# Altium PCB motordriver-v5.2.PcbDoc (part 3 of 7) (continued)
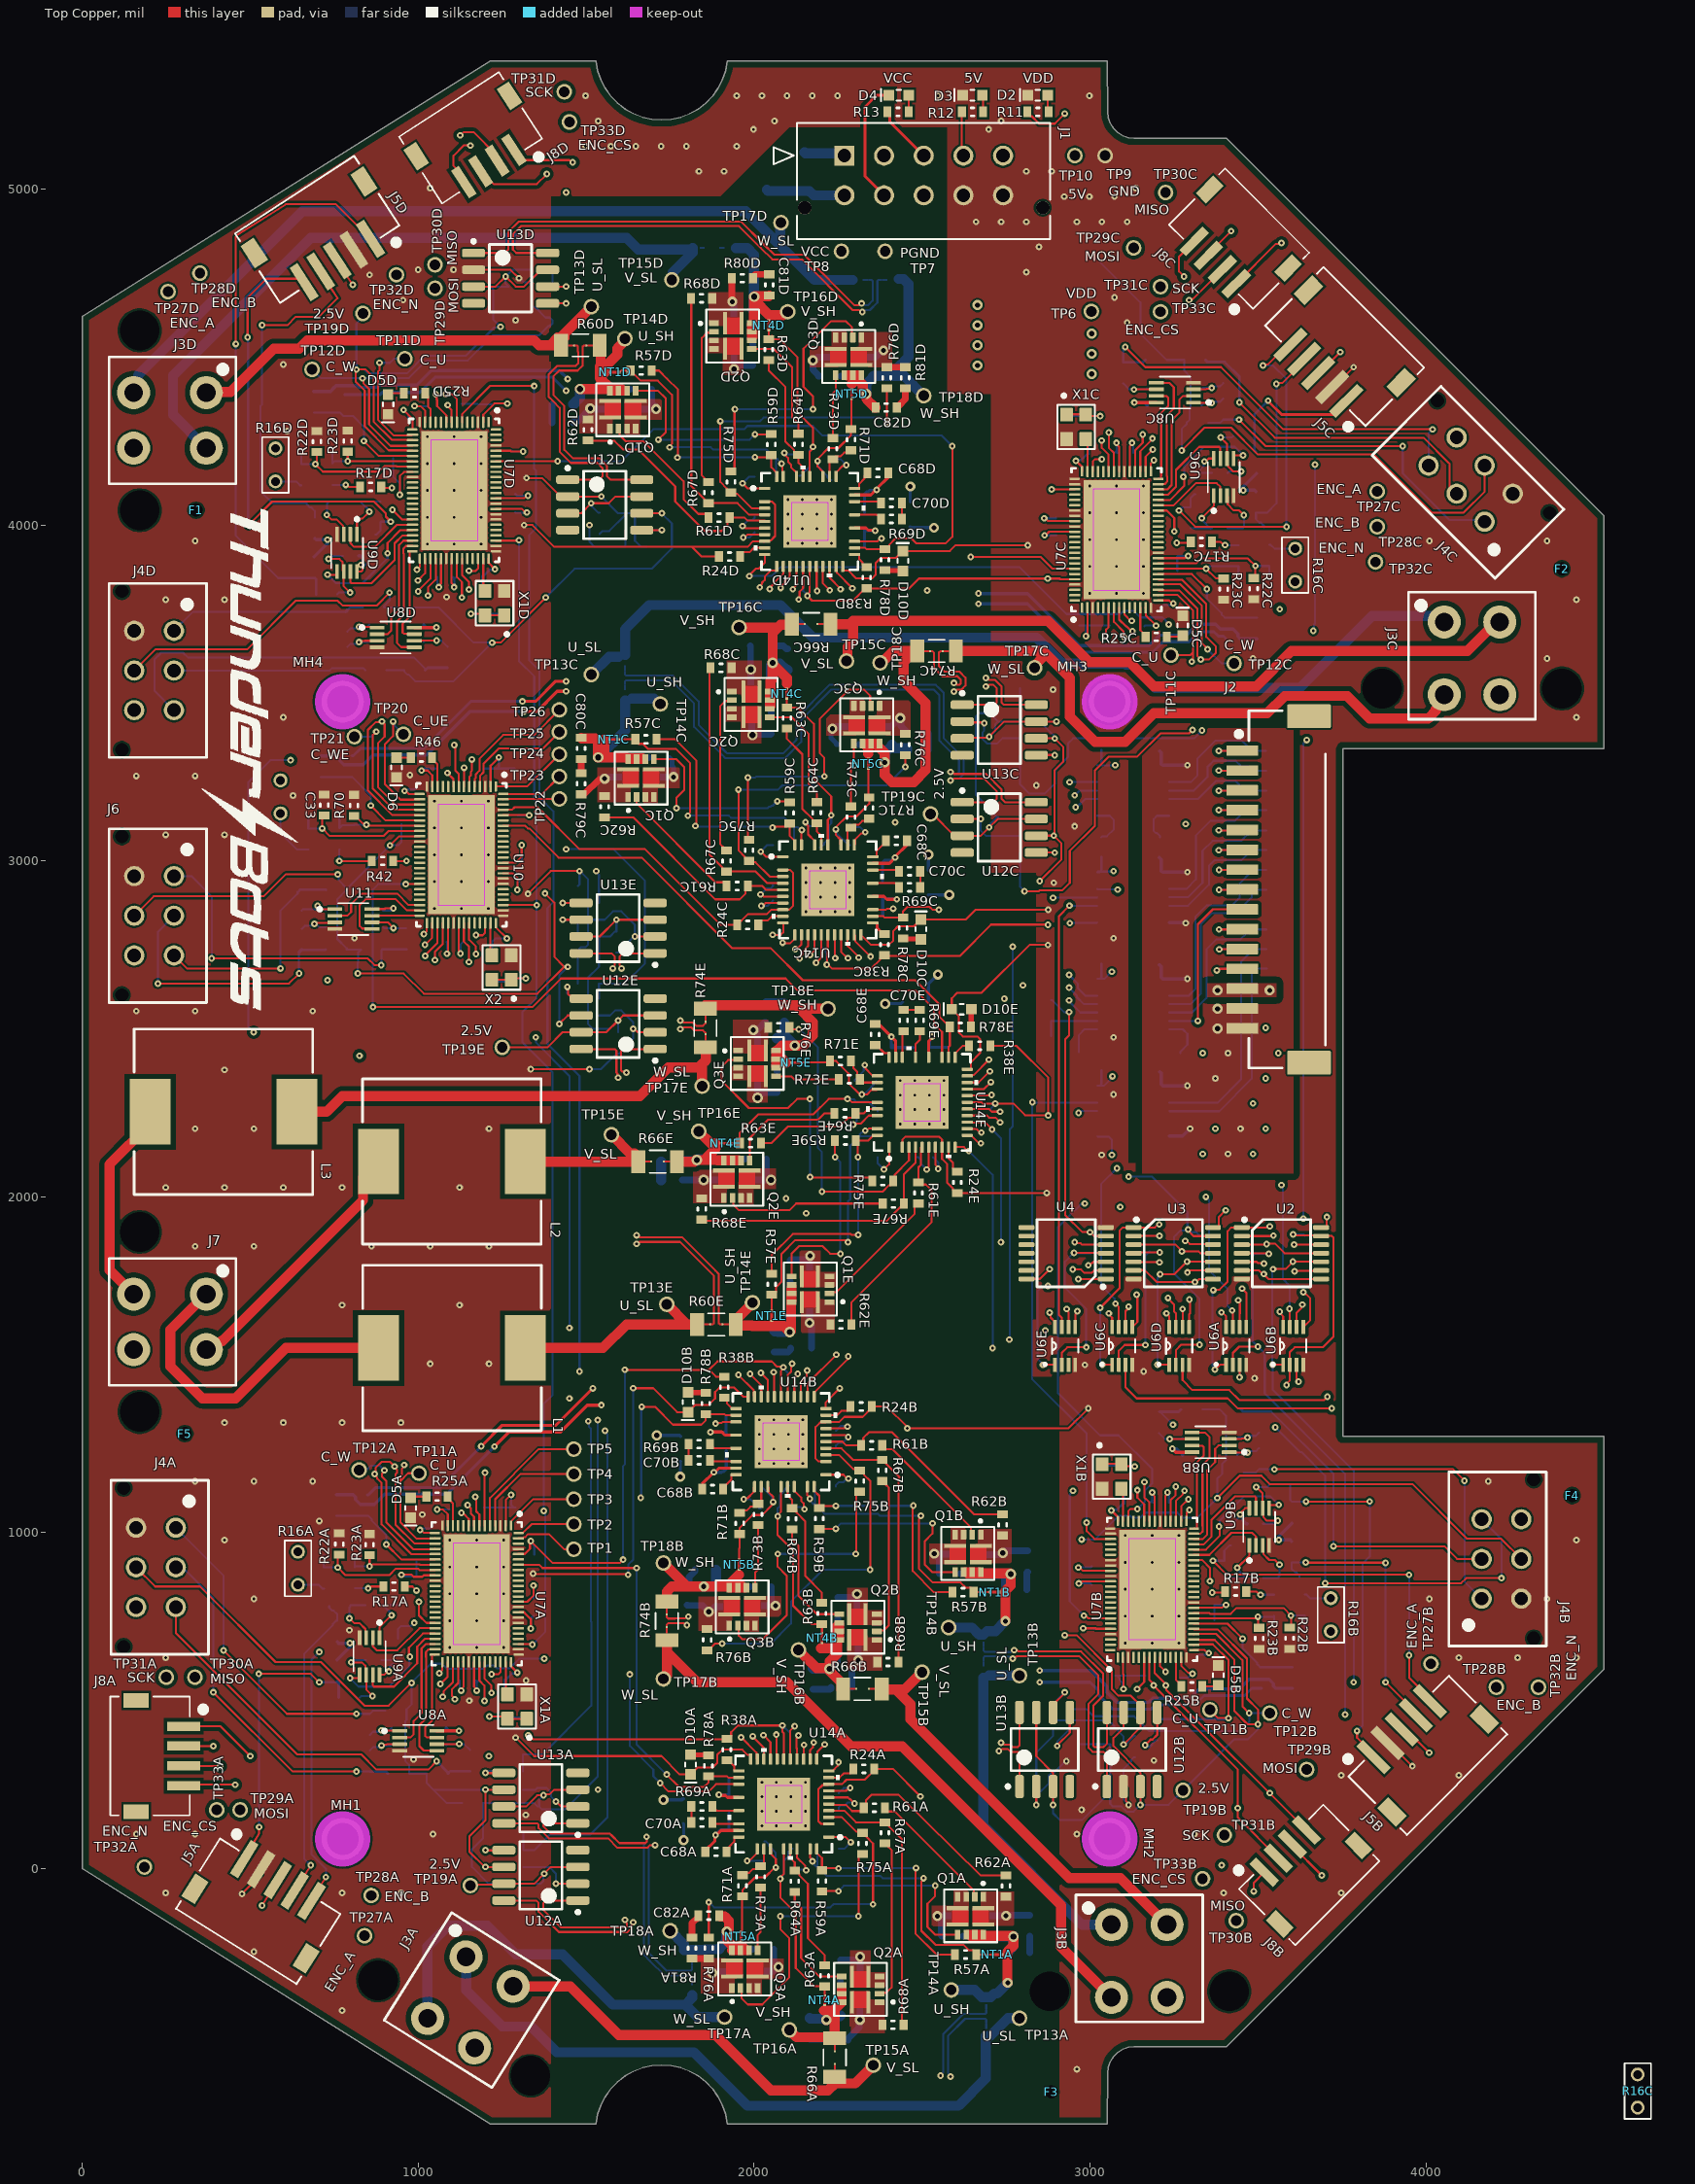
[diagram p0: Top Copper view]
## Nets (pads, with @x,y where several pads share a name; then routed paths per layer and width w, separated by ;. In a path a pad name is that pad's centre, name@x,y a point inside that pad or via, vN(x,y) a via of type N, cw(c..) or ccw(c..) an arc to the next point about the centre after c; other vN are vias at no path point) (continued)
  Top Copper w6: J6.5@154.42,2836.96 212.47,2895 540,2895 605,2960 v1(760,2960) ; J4D.5@154.42,3566.96 217.47,3630 490,3630 635,3775 760,3775 775,3760 876.1,3760 v1(914.64,3798.53) ; J4A.5@160,896.89 216.89,840 350,840 575,615 710,615 840,485 911.92,485 v1(979.99,553.07) ; v1(820,2665) 956.65,2665 1016.65,2605 1354.56,2605 1434.56,2685 ; v1(916.04,3046.7) 942.8,3073.47 U10.23@1004.49,3073.47 ; v1(945.12,4090.04) 945.12,4145.55 957.32,4157.75 982.49,4157.75 U7D.23@983.05,4158.31 ; v1(950,874.5) 950.5,875 980.13,875 986.06,869.07 1012.22,869.07 1016.46,873.31 U7A.23@1050.05,873.31 ; v1(1220,3650) 1245.41,3650 v1(1379.66,3784.25) ; U12A.6@1254.76,5 1197.5,5 1152.5,50 1152.5,96.87 1200,144.37 v1(1200,235) U13A.6@1254.76,235 ; v1(1377.21,2903.56) 1405,2875.77 1405,2714.56 1434.56,2685 ; U13D.6@1385,4710 v1(1440,4710) ; v1(1420,2515) 1445,2540 U12E.6@1485,2540 ; v1(1430,2825) U13E.6@1484.76,2825 ; v1(1445,2685) 1434.56,2685 ; U12D.6@1665.47,4035 v1(1725,4035) ; R12.2@2618.5,5230 2618.5,5095.16 J1.4@2623.06,5099.72 ; U12C.6@2840,3075 2840.27,3075.27 2891.89,3075.27 v1(2892.16,3075.53) 2915,3052.69 2915,3005 v1(2850,2940) ; U13C.6@2840,3365 v1(2895,3365) 2920,3340 2920,3295 2893.94,3268.94 v1@2893.94,3075.53 ; U13B.6@2890,465 2890,488.33 2925,523.33 v1(2925,525) ; v1(2925,695) 2960,695 3065,590 3065,535 3085,515 3121.65,515 3150,486.65 U12B.6@3150,465 3150,420 v1(3100,370) ; U7C.23@3202.93,3901.53 3281.88,3901.53 3288.21,3907.86 v1(3291.91,3907.86) ; v1(3272.99,4221.78) 3341.21,4290 3420.35,4290 3500.35,4210 3845,4210 4018.33,4036.67 4111.67,4036.67 4175,4100 J4C.5@4175,4177.03 ; U7B.23@3308.93,776.64 3392.94,776.64 3401.3,785 v1(3405,785) ; v1(3379.17,1103.44) 3445.73,1170 3510,1170 3535,1145 3960,1145 4122.82,982.18 4223.82,982.18 J4B.5@4284,922
  Signal Layer 1 w6: v1(1377.21,2903.56) 1395,2885.77 1395,2860 v1(1430,2825) ; v1(1440,4710) v1(1440,4990)
  Bottom Copper w6: v1(760,2960) 762.62,2957.38 762.62,2943.37 R47.1@787.49,2918.5 ; R47.1@787.49,2914.56 758.99,2886.07 758.99,2768.01 786.99,2740.01 R48.1@786.99,2736.07 R49.1@830,2736.07 821.19,2727.26 821.19,2697.91 820,2696.73 v1(820,2665) ; R47.1@787.98,2914.07 787.98,2918.01 R47.1@787.49,2918.5 ; R27D.1@905.49,3568.07 R28D.1@957.99,3568.07 957.99,3564.13 966.8,3555.32 970.74,3555.32 991.06,3535 1105,3535 v1(1220,3650) 1165,3650 1059.93,3755.07 R26D.1@897.99,3755.07 897.99,3759.01 915.22,3776.23 915.22,3797.95 v1(914.64,3798.53) ; C15D.2@925.46,4199.27 925.46,4149.36 C16D.2@924.9,4148.8 924.9,4144.86 945.12,4124.65 v1(945.12,4090.04) ; v1(950,874.5) 953.7,874.5 958.2,870 C16A.2@995,870 C15A.2@995,915 ; C39.2@950.1,3109.26 950.4,3108.96 C40.2@950.4,3060.27 950.4,3056.34 941.59,3047.53 916.86,3047.53 v1(916.04,3046.7) 916.04,3046.06 788.48,2918.5 R47.1@787.49,2918.5 ; R39A.1@1130,195 1085,195 1045,235 ; v1(1200,5) C54A.2@1250,5 ; C57A.2@1248.5,235 v1(1200,235) 1045,235 ; v1(1375,625) 1300.72,625 1272.01,596.29 1233.71,596.29 1225,605 1205,605 1195,595 1085,595 1070,610 1036.92,610 v1(979.99,553.07) 979.99,489.01 964.99,474.01 R26A.1@964.99,470.07 964.99,442.7 961.22,438.93 961.22,320.36 972.49,309.1 R27A.1@972.49,283.07 R28A.1@1024.99,283.07 1024.99,255.01 1045,235 ; v1(1379.66,3784.25) 1465.41,3870 1695,3870 1755,3930 1755,4005 v1(1725,4035) C54D.2@1680,4035 ; R39D.1@1400,4760 C57D.2@1400,4710 v1(1440,4710) ; v1(1430,2825) C57E.2@1475,2825 R39E.1@1475,2775 ; v1(1445,2685) 1420,2660 v1(1420,2515) 1445,2540 C54E.2@1475,2540 ; C54C.2@2855,3075 2855.53,3075.53 v1(2892.16,3075.53) ; C57C.2@2855,3365 v1(2895,3365) 2892.38,3367.62 2892.38,3373.68 2855,3411.06 R39C.1@2855,3415 ; v1@2928.32,528.32 2892.3,492.3 2892.3,477.3 C54B.2@2890,475 2890,455 2903.2,441.8 3051.19,441.8 R39B.1@3060,432.99 3063.94,432.99 3072.75,424.18 3072.75,420.24 3100,392.99 v1(3100,370) 3106.06,370 3131.06,395 C57B.2@3135,395 ; v1(2975,980) 3015,980 3085,1050 3120,1050 3125,1045 3150,1045 3165,1060 3260,1060 3275,1045 3320.73,1045 v1(3379.17,1103.44) 3378.99,1103.62 3378.99,1160.95 3393.99,1175.95 R26B.1@3393.99,1179.88 3393.99,1205.72 3405,1216.73 3405,1348.38 R27B.1@3386.49,1366.88 R28B.1@3333.99,1366.88 ; C1.2@3011.99,4793.07 3019.49,4793.07 3150,4662.56 3150,4569.77 R28C.1@3227.99,4491.78 R27C.1@3280.49,4491.78 3280.49,4459.51 3300,4440 3300,4350 3296.8,4346.8 3296.8,4313.59 R26C.1@3287.99,4304.78 3287.99,4300.84 3272.99,4285.84 v1(3272.99,4221.78) ; C15C.2@3260.11,3863.68 3259.7,3864.09 C16C.2@3259.7,3906.62 3260.94,3907.86 v1(3291.91,3907.86) ; C15B.2@3370,740 C16B.2@3370,785 v1(3405,785)
5VOUTA: C67A.2 U14A.7 | length 108.2
  Top Copper w6: U14A.7@2221.91,231.77 2271.4,231.77 2273.72,231.77 2282.02,240.07 v1(2285.99,240.07)
  Bottom Copper w6: C67A.2@2251.66,224.65 2260.97,233.96 2267.08,240.07 v1(2285.99,240.07)
5VOUTB: C67B.2 U14B.7 | length 108.2
  Top Copper w6: U14B.7@2214.04,1310.51 2263.52,1310.51 2268.5,1310.51 2274.14,1316.16 v1(2278.12,1316.16)
  Bottom Copper w6: C67B.2@2243.79,1303.39 2253.1,1312.7 2259.21,1318.81 2275.47,1318.81 v1(2278.12,1316.16)
5VOUTC: C67C.2 U14C.7 | length 108.2
  Top Copper w6: v1(2021.51,2866.39) 2025.48,2866.39 2033.78,2874.68 2036.1,2874.68 U14C.7@2085.59,2874.68
  Bottom Copper w6: v1(2021.51,2866.39) 2040.41,2866.39 2046.53,2872.5 C67C.2@2055.84,2881.81
5VOUTD: C67D.2 U14D.7 | length 108.2
  Top Copper w6: v1(1967.4,3963.07) 1971.38,3963.07 1979.67,3971.36 1981.99,3971.36 U14D.7@2031.48,3971.36
  Bottom Copper w6: v1(1967.4,3963.07) 1986.31,3963.07 1992.42,3969.18 C67D.2@2001.73,3978.49
5VOUTE: C67E.2 U14E.7 | length 108.2
  Top Copper w6: U14E.7@2539.69,2147.56 2539.69,2098.07 2539.69,2095.75 2547.99,2087.45 v1(2547.99,2083.48)
  Bottom Copper w6: C67E.2@2532.57,2117.81 2541.88,2108.5 2547.99,2102.39 v1(2547.99,2083.48)
12VOUTA: C66A.2 U14A.6 | length 143.2
  Top Copper w6: U14A.6@2221.91,212.09 2279.21,212.09 2284.11,207.19 2285.46,207.19 v1(2298.81,193.82)
  Bottom Copper w6: C66A.2@2251.66,177.4 2251.66,181.34 2258.97,188.65 2270.79,188.65 2278.97,196.83 2283.11,196.83 2283.31,196.63 2296,196.63 v1(2298.81,193.82)
12VOUTB: C66B.2 U14B.6 | length 122.3
  Top Copper w6: U14B.6@2214.04,1290.83 2271.34,1290.83 2277.4,1284.77 v1(2280.29,1284.77) v1@2278.24,1282.72
  Bottom Copper w6: C66B.2@2243.79,1256.14 2243.79,1260.08 2251.1,1267.39 2262.91,1267.39 v1(2280.29,1284.77)
12VOUTC: C66C.2 U14C.6 | length 122.3
  Top Copper w6: v1@2021.38,2902.47 v1(2019.33,2900.43) 2022.23,2900.43 2028.28,2894.37 U14C.6@2085.59,2894.37
  Bottom Copper w6: v1(2019.33,2900.43) 2036.71,2917.8 2048.53,2917.8 2055.84,2925.12 C66C.2@2055.84,2929.05
12VOUTD: C66D.2 U14D.6 | length 122.3
  Top Copper w6: v1@1967.27,3999.15 v1(1965.23,3997.11) 1968.12,3997.11 1974.18,3991.05 U14D.6@2031.48,3991.05
  Bottom Copper w6: v1(1965.23,3997.11) 1982.61,4014.49 1994.42,4014.49 2001.73,4021.8 C66D.2@2001.73,4025.73
12VOUTE: C66E.2 U14E.6 | length 122.3
  Top Copper w6: v1@2511.91,2083.35 v1(2513.95,2081.31) 2513.95,2084.2 2520.01,2090.26 U14E.6@2520.01,2147.56
  Bottom Copper w6: C66E.2@2485.32,2117.81 2489.26,2117.81 2496.57,2110.5 2496.57,2098.68 v1(2513.95,2081.31)
ADC_VMA: C5A.2 R18A.2 R19A.1 U7A.20 | length 362.5
  Top Copper w6: v1(904.99,965.07) 949.5,920.56 U7A.20@1050.05,920.56
  Bottom Copper w6: R19A.1@755.99,1050.07 C5A.2@801.99,1050.07 R18A.2@847.99,1050.07 ; R18A.2@851.93,1050.07 861.24,1040.76 861.24,1036.82 904.99,993.07 v1(904.99,965.07)
ADC_VMB: C5B.2 R18B.2 R19B.1 U7B.20 | length 366.4
  Top Copper w6: U7B.20@3308.93,729.4 3409.48,729.4 v1(3453.99,684.88)
  Bottom Copper w6: v1(3453.99,684.88) 3453.99,656.88 3497.74,613.13 3497.74,609.19 3507.05,599.88 R18B.2@3510.99,599.88 C5B.2@3556.99,599.88 R19B.1@3602.99,599.88
ADC_VMC: C5C.2 R18C.2 R19C.1 U7C.20 | length 366.4
  Top Copper w6: U7C.20@3202.93,3854.29 3303.48,3854.29 v1(3347.99,3809.78)
  Bottom Copper w6: v1(3347.99,3809.78) 3347.99,3781.78 3391.74,3738.02 3391.74,3734.09 3401.05,3724.78 R18C.2@3404.99,3724.78 C5C.2@3450.99,3724.78 R19C.1@3496.99,3724.78
ADC_VMD: C5D.2 R18D.2 R19D.1 U7D.20 | length 372.3
  Top Copper w6: v1(837.99,4250.07) 882.5,4205.56 U7D.20@983.05,4205.56
  Bottom Copper w6: R19D.1@688.99,4335.07 C5D.2@734.99,4335.07 765.99,4335.07 776.06,4325 R18D.2@780,4325 805,4325 837.99,4292.01 v1(837.99,4250.07)
ADC_VME: C32.2 R43.2 R44.1 U10.20 | length 364.7
  Top Copper w6: v1(858.8,3165.23) 903.31,3120.71 U10.20@1003.86,3120.71
  Bottom Copper w6: R44.1@709.8,3250.23 C32.2@755.8,3250.23 R43.2@802.83,3250.23 858.8,3194.26 v1(858.8,3165.23)
CHIP_TEMPA: C8A.2 R21A.2 R23A.1 U7A.21 | length 311.6
  Top Copper w6: R23A.1@854.99,933.07 v1(855,900) 858.7,900 864.05,905.34 1004.6,905.34 1005.13,904.81 U7A.21@1050.05,904.81
  Bottom Copper w6: C8A.2@810.99,933.57 R21A.2@810.99,897.56 813.43,900 v1(855,900)
CHIP_TEMPB: C8B.2 R21B.2 R23B.1 U7B.21 | length 313.6
  Top Copper w6: U7B.21@3308.93,745.14 3491.44,745.14 3496.3,750 v1(3500,750) 3500,720.87 R23B.1@3503.99,716.88
  Bottom Copper w6: v1(3500,750) 3545.6,750 R21B.2@3547.99,752.39 C8B.2@3547.99,716.38 C8B.2@3547.49,716.88
CHIP_TEMPC: C8C.2 R21C.2 R23C.1 U7C.21 | length 342.9
  Top Copper w6: U7C.21@3202.93,3870.04 v1(3345.67,3870.04) 3374.87,3840.83 R23C.1@3398.39,3840.83
  Bottom Copper w6: v1(3345.67,3870.04) 3349.37,3870.04 3356.61,3877.28 R21C.2@3441.99,3877.28 C8C.2@3441.99,3841.27
CHIP_TEMPD: C8D.2 R21D.2 R23D.1 U7D.21 | length 306.7
  Top Copper w6: R23D.1@790,4218.5 v1(790,4190) 790.1,4189.9 U7D.21@983.05,4189.81 U7D.21@983.05,4189.81
  Bottom Copper w6: C8D.2@743.99,4218.57 R21D.2@743.99,4182.56 751.43,4190 v1(790,4190)
CHIP_TEMPE: C34.2 R53.2 R70.1 U10.21 | length 328.2
  Top Copper w6: R70.1@808.93,3133.73 812.86,3133.73 836.14,3110.45 843.29,3110.45 v1(845.91,3107.83) 848.19,3105.55 1003.91,3105.55 U10.21@1004.49,3104.97
  Bottom Copper w6: C34.2@765.43,3133.73 R53.2@765.43,3097.72 774.24,3106.53 808.24,3106.53 809.53,3107.83 v1(845.91,3107.83)
CHIP_THERMA: R17A.1 R21A.1 | length 87.8
  Top Copper w6: v1(850.99,834.57) 854.97,834.57 860.46,840.07 R17A.1@896.49,840.07
  Bottom Copper w6: R21A.1@810.99,834.57 v1(850.99,834.57)
CHIP_THERMB: R17B.1 R21B.1 | length 87
  Top Copper w6: R17B.1@3465,825 3494.66,825 3504.28,815.38 v1(3507.99,815.38)
  Bottom Copper w6: v1(3507.99,815.38) R21B.1@3547.99,815.38
CHIP_THERMC: R17C.1 R21C.1 | length 83
  Top Copper w6: R17C.1@3362.99,3950 3388.56,3950 3398.28,3940.27 v1(3401.99,3940.27)
  Bottom Copper w6: v1(3401.99,3940.27) R21C.1@3441.99,3940.27
CHIP_THERMD: R17D.1 R21D.1 | length 85.1
  Top Copper w6: v1(783.99,4119.57) 787.7,4119.57 793.45,4113.82 R17D.1@826.69,4113.82
  Bottom Copper w6: R21D.1@743.99,4119.57 v1(783.99,4119.57)
CHIP_THERME: R42.1 R53.1 | length 131.9
  Top Copper w6: v1(765,3000) R42.1@862.01,3000
  Bottom Copper w6: v1(765,3000) 765,3034.3 R53.1@765.43,3034.73
CLK_ENA: C6A.2 FB1A.2 X1A.1 X1A.4 | length 213.7
  Top Copper w6: v1(1211.61,453.11) 1251.71,453.11 1259.62,445.2 X1A.1@1316.71,445.2
  Bottom Copper w6: v1(1211.61,453.11) 1257.61,453.11 FB1A.2@1260.6,450.12 C6A.2@1315.72,450.12
CLK_ENB: C6B.2 FB1B.2 X1B.1 X1B.4 | length 187.8
  Top Copper w6: X1B.1@3042.27,1204.75 3099.36,1204.75 3108.23,1195.88 3108.23,1196.88 3108.98,1197.64 v1(3132.99,1197.64)
  Bottom Copper w6: C6B.2@3043.26,1199.83 FB1B.2@3098.38,1199.83 3102.32,1195.88 3104.08,1197.64 v1(3132.99,1197.64)
CLK_ENC: C6C.2 FB1C.2 X1C.1 X1C.4 | length 189.4
  Top Copper w6: X1C.1@2936.27,4329.64 2993.36,4329.64 2998.68,4324.32 v1(3030.26,4324.32)
  Bottom Copper w6: C6C.2@2937.26,4324.72 FB1C.2@2992.38,4324.72 2992.77,4324.32 v1(3030.26,4324.32)
CLK_END: C6D.2 FB1D.2 X1D.1 X1D.4 | length 192.9
  Top Copper w6: v1(1157,3736) 1193.78,3736 X1D.4@1198.7,3731.08 X1D.1@1255.78,3731.08
  Bottom Copper w6: v1(1157,3736) 1192.73,3736 FB1D.2@1193.6,3735.12 C6D.2@1248.72,3735.12
CLK_ENE: C31.2 FB2.2 X2.1 X2.4 | length 207
  Top Copper w6: X2.4@1219.51,2646.24 X2.1@1276.6,2646.24 1280.71,2650.35 v1(1320.33,2650.35)
  Bottom Copper w6: FB2.2@1219.56,2641.28 C31.2@1274.68,2641.28 1283.49,2650.1 1300.59,2650.1 1300.85,2650.35 v1(1320.33,2650.35)
CLKA: U7A.51 X1A.3 | length 109.9
  Top Copper w6: X1A.3@1259.62,518.04 1260.68,519.1 X1A.3@1260.68,528.86 ; U7A.51@1260.68,615.44 1260.68,523.93 X1A.3@1265.7,518.91
CLKB: U7B.51 X1B.3 | length 109.9
  Top Copper w6: X1B.3@3093.28,1131.04 3098.3,1126.02 U7B.51@3098.3,1034.51 ; X1B.3@3098.3,1121.09 3098.3,1130.85 X1B.3@3099.36,1131.92
CLKC: U7C.51 X1C.3 | length 109.9
  Top Copper w6: X1C.3@2987.28,4255.93 2992.3,4250.92 U7C.51@2992.3,4159.41 ; X1C.3@2992.3,4245.98 2992.3,4255.75 X1C.3@2993.36,4256.81
CLKD: U7D.51 X1D.3 | length 109.9
  Top Copper w6: X1D.3@1192.62,3803.04 1193.68,3804.1 X1D.3@1193.68,3813.86 ; U7D.51@1193.68,3900.44 1193.68,3808.93 X1D.3@1198.7,3803.91
CLKE: U10.51 X2.3 | length 98.6
  Top Copper w6: U10.51@1214.49,2815.6 1214.49,2724.09 X2.3@1219.51,2719.07
CPI_CAPA: C70A.2 R69A.2 | length 48
  Top Copper w6: C70A.2@1812.99,137.07 R69A.2@1813,185.07
CPI_CAPB: C70B.2 R69B.2 | length 48
  Top Copper w6: C70B.2@1805.12,1215.81 R69B.2@1805.12,1263.8
CPI_CAPC: C70C.2 R69C.2 | length 48
  Top Copper w6: R69C.2@2494.5,2921.39 C70C.2@2494.51,2969.39
CPI_CAPD: C70D.2 R69D.2 | length 48
  Top Copper w6: R69D.2@2440.39,4018.07 C70D.2@2440.4,4066.07
CPI_CAPE: C70E.2 R69E.2 | length 48
  Top Copper w6: C70E.2@2444.99,2556.48 R69E.2@2492.99,2556.47
CPIA: C70A.1 U14A.27 | length 79.8
  Top Copper w6: C70A.1@1875.98,137.07 1879.7,133.35 U14A.27@1954.2,133.35
CPIB: C70B.1 U14B.27 | length 79.8
  Top Copper w6: C70B.1@1868.11,1215.81 1871.83,1212.09 U14B.27@1946.32,1212.09
CPIC: C70C.1 U14C.27 | length 79.8
  Top Copper w6: U14C.27@2353.3,2973.11 2427.79,2973.11 C70C.1@2431.52,2969.39
CPID: C70D.1 U14D.27 | length 79.8
  Top Copper w6: U14D.27@2299.19,4069.79 2373.69,4069.79 C70D.1@2377.41,4066.07
CPIE: C70E.1 U14E.27 | length 79.8
  Top Copper w6: U14E.27@2441.27,2415.27 2441.27,2489.77 C70E.1@2444.99,2493.49
CPOA: R69A.1 U14A.26 | length 92.7
  Top Copper w6: R69A.1@1870.99,190.07 1870.99,186.13 1883.3,173.82 1887.47,173.82 1888.57,172.72 U14A.26@1954.2,172.72
CPOB: R69B.1 U14B.26 | length 92.7
  Top Copper w6: R69B.1@1863.11,1268.81 1863.11,1264.87 1875.43,1252.56 1879.6,1252.56 1880.7,1251.46 U14B.26@1946.32,1251.46
CPOC: R69C.1 U14C.26 | length 92.7
  Top Copper w6: U14C.26@2353.3,2933.74 2418.93,2933.74 2420.03,2932.63 2424.2,2932.63 2436.51,2920.32 R69C.1@2436.51,2916.38
CPOD: R69D.1 U14D.26 | length 92.7
  Top Copper w6: U14D.26@2299.19,4030.42 2364.82,4030.42 2365.92,4029.32 2370.09,4029.32 2382.4,4017 R69D.1@2382.4,4013.07
CPOE: R69E.1 U14E.26 | length 83.3
  Top Copper w6: U14E.26@2480.64,2415.27 2480.64,2454.66 2492.99,2467.01 R69E.1@2492.99,2493.48
CS0: J2.2 R77D.2 | length 104.2
  Top Copper w6: v1(3383.56,3269.07) 3452.86,3269.07 J2.2@3453.18,3269.39
  Bottom Copper w6: v1(3383.56,3269.07) R77D.2@3417.99,3269.07
CS0_FILTER: C52D.2 R77D.1 U5B.4 | length 357
  Bottom Copper w6: U5B.4@3236.06,3209.74 3309.74,3209.74 3350,3250 3350,3280 3368.13,3298.13 3433.46,3298.13 3449.77,3281.82 3472.17,3281.82 3480.98,3273.01 R77D.1@3480.98,3269.07 C52D.2@3524.49,3269.07
CS0_ISO: U5B.13 U6A.7 | length 2063.9
  Top Copper w6: v1(3423.4,1661.81) 3425.24,1659.97 U6A.7@3425.24,1612.07
  Signal Layer 2 w6: v1(2954.15,3195.25) 2934.66,3175.76 2934.66,3150.54 2948.26,3136.94 2958.06,3136.94 2989.07,3105.93 2989.07,2030.93 3005,2015 3330,2015 v1(3345,2000)
  Bottom Copper w6: v1(2954.15,3195.25) 2955.25,3195.25 2969.74,3209.74 U5B.13@3021.5,3209.74 ; v1(3345,2000) 3345,1999.64 3355,1989.64 3355,1780 3410,1725 3410,1675.21 v1(3423.4,1661.81)
CS1: J2.3 R77E.2 | length 104.6
  Top Copper w6: v1(3383.56,3209.07) 3451.91,3209.07 J2.3@3453.18,3210.33
  Bottom Copper w6: v1(3383.56,3209.07) R77E.2@3417.99,3209.07
CS1_FILTER: C52E.2 R77E.1 U5B.5 | length 322.5
  Bottom Copper w6: U5B.5@3236.06,3184.74 3322.39,3184.74 3375.69,3238.04 3433.55,3238.04 3462.52,3209.07 R77E.1@3480.98,3209.07 C52E.2@3524.49,3209.07
CS1_ISO: U5B.12 U6B.7 | length 2210.8
  Top Copper w6: v1(3594,1667) 3594.49,1666.5 3594.49,1612.56 U6B.7@3594.99,1612.07
  Signal Layer 2 w6: v1(2957.5,3160) 2960.76,3160 2972.45,3148.31 2976.69,3148.31 3008.49,3116.51 3008.49,2049.97 3023.46,2035 v1(3570,2035)
  Bottom Copper w6: v1(2957.5,3160) 2960.76,3160 2972.45,3171.69 2972.67,3171.69 2985.72,3184.74 U5B.12@3021.5,3184.74 ; v1(3570,2035) 3570,2031.3 3574.76,2026.54 3574.76,1755.24 3594,1736 v1(3594,1667)
CS2: J2.4 R77F.2 | length 104.1
  Top Copper w6: v1(3383.56,3151.07) 3452.97,3151.07 J2.4@3453.18,3151.28
  Bottom Copper w6: v1(3383.56,3151.07) R77F.2@3417.99,3151.07
CS2_FILTER: C52F.2 R77F.1 U15A.3 | length 461.6
  Bottom Copper w6: U15A.3@3236.06,2916.74 3286.74,2916.74 3315.06,2945.06 3315.06,3075.06 3360,3120 3431.45,3120 3462.52,3151.07 R77F.1@3480.98,3151.07 C52F.2@3524.49,3151.07
CS2_ISO: U6C.7 U15A.14 | length 1417.2
  Top Copper w6: v1(3076,1682) 3076,1681.38 3085.74,1671.64 U6C.7@3085.74,1612.07
  Signal Layer 2 w6: v1(3080,2085) 3080,2087.5 3095,2102.5 3095,2901.3 3082.23,2914.06 v1(3082.23,2915)
  Bottom Copper w6: U15A.14@3021.5,2916.74 3022.36,2915.87 3081.37,2915.87 v1(3082.23,2915) ; v1(3076,1682) 3073.19,1684.81 3073.19,1696.8 3033,1736.99 3033,2038 v1(3080,2085)
CS3: J2.5 R77G.2 | length 104.5
  Top Copper w6: v1(3383.56,3091.07) 3452.02,3091.07 J2.5@3453.18,3092.22
  Bottom Copper w6: v1(3383.56,3091.07) R77G.2@3417.99,3091.07
CS3_FILTER: C52G.2 R77G.1 U15A.4 | length 430.6
  Bottom Copper w6: U15A.4@3236.06,2891.74 3291.74,2891.74 3335,2935 3335,3030 3365,3060 3449.91,3060 3468.23,3078.32 3472.17,3078.32 R77G.1@3480.98,3087.13 ; R77G.1@3480.98,3091.07 R77G.1@3480.98,3087.13 ; C52G.2@3524.49,3091.07 3484.92,3091.07 R77G.1@3480.98,3087.13
CS3_ISO: U6D.7 U15A.13 | length 1963
  Top Copper w6: v1(3231.99,1699.06) 3231.99,1698.07 3250.38,1679.68 3250.38,1658.79 3255.49,1653.68 U6D.7@3255.49,1612.07
  Signal Layer 1 w6: v1(2866.85,1602.23) 2869.47,1599.61 3094.61,1599.61 3194.06,1699.06 v1(3231.99,1699.06)
  Signal Layer 2 w6: v1(2866.85,1602.23) 2840,1629.08 2840,1935 2898.55,1993.55 2898.55,2879.64 2890,2888.19 v1(2890,2890)
  Bottom Copper w6: v1(2890,2890) 2890.87,2890.87 3020.63,2890.87 U15A.13@3021.5,2891.74
CS4: J2.6 R77H.2 | length 104.5
  Top Copper w6: v1(3383.56,3032.07) 3452.08,3032.07 J2.6@3453.18,3033.17
  Bottom Copper w6: v1(3383.56,3032.07) R77H.2@3417.99,3032.07
CS4_FILTER: C52H.2 R77H.1 U15A.5 | length 392.3
  Bottom Copper w6: U15A.5@3236.06,2866.74 3291.74,2866.74 3354.06,2929.06 3354.06,2985.54 3370.29,3001.78 3450.69,3001.78 3468.23,3019.32 3472.17,3019.32 3480.98,3028.13 R77H.1@3480.98,3032.07 C52H.2@3524.49,3032.07
CS4_ISO: U6E.7 U15A.12 | length 1353.8
  Top Copper w6: U6E.7@2915.99,1612.07 2915.99,1639.82 2907.47,1648.34 2907.47,2835.36 v1(2938.84,2866.74)
  Bottom Copper w6: v1(2938.84,2866.74) U15A.12@3021.5,2866.74
CTRL_C\S\A: R1.2 U2.1 U6A.1 U7A.6 | length 3113.8
  Top Copper w6: U7A.6@1197.69,1020.95 1197.69,1177.69 v1(1198.9,1178.9) ; v1(3367.07,1722.27) 3368.72,1723.92 3385.92,1723.92 3409.99,1747.99 3409.99,1898.07 3420.76,1908.84 U2.1@3451.88,1908.84 3524.87,1908.84 3525.57,1909.54 3532.38,1909.54 v1(3535,1912.16) ; v1(3372.09,1486.01) 3386.15,1500.07 U6A.1@3405.24,1500.07
  Signal Layer 1 w6: v1(1198.9,1178.9) 1420.04,1400.04 v1(1450,1400.04)
  Signal Layer 2 w6: v1@1450,1405 1530,1405 2190.66,1405 2240.66,1455 3341.08,1455 v1(3372.09,1486.01)
  Bottom Copper w6: v1(3367.07,1722.27) 3365,1720.2 3365,1496.36 3372.09,1489.28 v1(3372.09,1486.01) ; R1.2@3492.98,1909.07 3493.21,1908.84 3524.87,1908.84 3525.57,1909.54 3532.38,1909.54 v1(3535,1912.16)
CTRL_C\S\B: R3.2 U2.10 U6B.1 U7B.6 | length 2332.1
  Top Copper w6: v1(3140.36,534.88) 3161.29,555.81 U7B.6@3161.29,629 ; v1(3543.99,1500.07) U6B.1@3574.99,1500.07 ; v1(3545.02,1784.59) 3545.44,1785 3581.92,1785 3603.97,1807.05 v1(3603.97,1807.18) ; v1@3603.99,1807.07 3604.29,1806.77 3687.8,1806.77 U2.10@3688.1,1806.48
  Signal Layer 2 w6: v1(3140.36,534.88) 3159.09,516.16 3498.84,516.16 3510,505 3642.26,505 3692.26,555 v1(3785,555)
  Bottom Copper w6: v1(3545.02,1784.59) 3545.02,1780.88 3542.05,1777.91 3542.05,1502.01 v1(3543.99,1500.07) 3543.99,1426.01 3785.39,1184.61 3785.39,555.39 v1(3785,555) ; v1(3603.97,1807.18) 3639.88,1807.18 R3.2@3640,1807.07
CTRL_C\S\C: R5.2 U3.1 U6C.1 U7C.6 | length 3570.8
  Top Copper w6: v1(3030.22,1669.84) 3087.99,1727.61 3087.99,1899.07 3097.76,1908.84 U3.1@3129.88,1908.84 3129.99,1908.95 3193.43,1908.95 3202.23,1917.76 v1(3206.2,1917.76) ; v1(3036.99,1500.07) U6C.1@3065.74,1500.07 ; v1(3045.35,3669.96) 3047.96,3672.57 3047.96,3688.8 3055.13,3695.97 3055.13,3753.73 U7C.6@3055.29,3753.9
  Signal Layer 1 w6: v1(3565,3749.81) 3565,3440 v1(3645,3360)
  Signal Layer 2 w6: v1(3045.35,3669.96) 3045.35,3700.35 3088.8,3743.8 3543.16,3743.8 3546.56,3747.2 3562.38,3747.2 v1(3565,3749.81) ; v1(3206.2,1917.76) 3252.14,1917.76 3261.03,1926.65 3346.62,1926.65 3353.76,1919.5 3441.92,1919.5 3457.42,1935 v1(3635,1935)
  Bottom Copper w6: v1(3030.22,1669.84) 3030.22,1510.34 3036.99,1503.57 v1(3036.99,1500.07) ; R5.2@3171.98,1909.07 3193.54,1909.07 3202.23,1917.76 v1(3206.2,1917.76) ; v1(3635,1935) 3635,3349.64 3645,3359.64 v1(3645,3360)
CTRL_C\S\D: R7.2 U3.10 U6D.1 U7D.6 | length 5603.3
  Top Copper w6: U7D.6@1130.69,4305.95 1130.85,4306.11 1130.85,4330.85 1214.65,4414.65 1344.46,4414.65 v1(1345.16,4413.95) ; v1(3200.99,1500.07) U6D.1@3235.49,1500.07 ; v1(3208.7,1769.48) 3251.41,1769.48 v1(3288.99,1807.07) 3289.29,1806.77 3365.8,1806.77 U3.10@3366.1,1806.48
  Signal Layer 2 w6: v1(1480,1480) 1550,1480 1598.76,1528.76 2154.32,1528.76 2210.08,1473 3053,1473 3100,1520 3181.06,1520 v1(3200.99,1500.07)
  Bottom Copper w6: v1(1345.16,4413.95) 1345.16,4167.54 1350,4162.7 1350,3990 1330,3970 1330,3597.33 1360.99,3566.34 1360.99,3189.01 1402.38,3147.62 1402.38,2877.38 1384.5,2859.5 1384.5,2455.5 1480,2360 v1(1480,1480) ; v1(3200.99,1500.07) 3200.99,1758.07 3208.7,1765.78 v1(3208.7,1769.48) ; v1(3288.99,1807.07) R7.2@3324.49,1807.07
CTRL_C\S\E: R9.2 U4.1 U6E.1 U10.6 | length 5264.7
  Top Copper w6: U10.6@1152.13,3221.11 1152.13,3249.94 1156.13,3253.93 1156.13,3264.84 1159.42,3268.13 v1(1159.42,3302.17) ; v1(2860,1500) 2895.92,1500 U6E.1@2895.99,1500.07 ; v1@2964.15,1755.3 U4.1@3047.1,1755.3
  Signal Layer 1 w6: v1(2875,1735) 2945,1735 v1(2965,1755)
  Signal Layer 2 w6: v1(510,2490) 1335,2490 v1(1350,2475) ; v1(620,3300) 802.49,3300 822.49,3320 1116.17,3320 1131.17,3305 1135.99,3305 1138.81,3302.17 v1(1159.42,3302.17) ; v1(1450,1610) 1505,1610 1570,1545 2160,1545 2205,1500 v1(2860,1500)
  Bottom Copper w6: v1(510,2490) 494.16,2505.84 494.16,3234.16 560,3300 v1(620,3300) ; v1(1350,2475) 1350,2460 1450,2360 v1(1450,1610) ; v1(2860,1500) 2860,1500.65 2844.01,1516.64 2844.01,1720.08 2856.31,1732.38 2872.38,1732.38 v1(2875,1735) ; v1@2970.6,1755.07 R9.2@3003,1755.07
CTRL_EN: J2.11 R77K.2 | length 103.4
  Top Copper w6: v1(3384.56,2737.07) 3452.35,2737.07 J2.11@3453.18,2737.89
  Bottom Copper w6: v1(3384.56,2737.07) R77K.2@3418.99,2737.07
CTRL_EN_FILTER: C52K.2 R77K.1 U15B.3 | length 686.5
  Bottom Copper w6: U15B.3@3236.06,2280.74 3380.74,2280.74 3450,2350 3450,2701.15 3481.98,2733.13 R77K.1@3481.98,2737.07 C52K.2@3525.49,2737.07
CTRL_EN_ISO: U7A.55 U7B.55 U7C.55 U7D.55 U10.55 U15B.14 | length 10276.8
  Top Copper w6: U7D.55@1231.08,3953.59 1298.59,3953.59 v1(1300,3955) ; U10.55@1252.53,2868.74 1352.23,2868.74 v1(1352.54,2868.43) ; U7A.55@1298.08,668.59 1298.67,668 1338.85,668 v1(1339.99,666.86) ; v1(2885.63,4106.31) 2885.68,4106.26 U7C.55@2954.9,4106.26 ; v1(2990,1030) 2990,1005 3013.64,981.36 U7B.55@3060.9,981.36
  Signal Layer 2 w6: v1(1373.59,1065) 1440.08,1065 1446.01,1059.07 1995.93,1059.07 2030,1025 2165,1025 2180,1040 2450,1040 2485,1005 2550,1005 2575,1030 v1(2990,1030) ; v1(2828.46,2281.69) 2827,2283.15 2827,2997 2865,3035 2865,3245 2930,3310 3015,3310 3060,3355 3340,3355 3652.05,3667.06 3652.05,3671.3 3665,3684.24 v1(3665,3685) ; v1(2885.63,4106.31) 2885,4106.94 2885,4135 2920,4170 3280,4170 3320,4210 3350,4210 3380,4180 v1(3670,4180)
  Bottom Copper w6: v1(1300,3955) 1300,3595 1345.49,3549.51 1345.49,3182.59 1352.54,3175.54 1352.54,2592.54 1310,2550 1310,2460 1400,2370 1400,1410 1373.59,1383.59 v1(1373.59,1065) 1373.59,1061.3 1377.69,1057.2 1377.69,704.56 v1(1339.99,666.86) ; v1(2990,1030) 2990,1295 2828.16,1456.84 2828.16,2272.08 2827.2,2273.04 2827.2,2280.44 v1(2828.46,2281.69) 2829.41,2280.74 U15B.14@3021.5,2280.74 ; v1(3665,3685) 3667,3687 3667,3703.84 3670,3706.84 v1(3670,4180)
CUA: C62A.1 U14A.1 | length 116.3
  Top Copper w6: U14A.1@2221.91,93.98 2272.38,93.98 v1(2287.75,78.6)
  Bottom Copper w6: C62A.1@2251.66,59.29 2268.44,59.29 v1(2287.75,78.6)
CUB: C62B.1 U14B.1 | length 120.2
  Top Copper w6: U14B.1@2214.04,1172.72 2265.62,1172.72 2276.99,1161.34 v1(2280.7,1161.34)
  Bottom Copper w6: C62B.1@2243.79,1138.03 2243.79,1141.97 2252.6,1150.78 2266.43,1150.78 2276.99,1161.34 v1(2280.7,1161.34)
CUC: C62C.1 U14C.1 | length 116.3
  Top Copper w6: v1(2019.75,3027.85) 2035.12,3012.48 U14C.1@2085.59,3012.48
  Bottom Copper w6: v1(2019.75,3027.85) 2039.06,3047.16 C62C.1@2055.84,3047.16
CUD: C62D.1 U14D.1 | length 116.3
  Top Copper w6: v1(1965.64,4124.53) 1981.01,4109.16 U14D.1@2031.48,4109.16
  Bottom Copper w6: v1(1965.64,4124.53) 1984.95,4143.84 C62D.1@2001.73,4143.84
CUE: C62E.1 U14E.1 | length 116.3
  Top Copper w6: v1(2386.52,2081.72) 2401.9,2097.09 U14E.1@2401.9,2147.56
  Bottom Copper w6: C62E.1@2367.21,2117.81 2367.21,2101.03 v1(2386.52,2081.72)
CUR_OUT1A: R55A.1 U12A.5 | length 104.8
  Top Copper w7: v1(1200,55) U12A.5@1254.76,55
  Bottom Copper w7: v1(1200,55) R55A.1@1250,55
CUR_OUT1B: R55B.1 U12B.5 | length 162
  Top Copper w7: v1(3163.92,367.84) 3180.42,384.35 3185.92,384.35 3200,398.42 U12B.5@3200,465
  Bottom Copper w7: v1(3163.92,367.84) 3167.35,367.84 3173,362.19 3176.25,362.19 3196.17,382.12 3199.89,382.12 R55B.1@3200,382.01
CUR_OUT1C: R55C.1 U12C.5 | length 95
  Top Copper w6: U12C.5@2840,3025 v1(2895,3025)
  Bottom Copper w6: R55C.1@2855,3025 v1(2895,3025)
CUR_OUT1D: R55D.1 U12D.5 | length 104.5
  Top Copper w6: U12D.5@1665.47,3985 v1(1725,3985)
  Bottom Copper w6: R55D.1@1680,3985 v1(1725,3985)
CUR_OUT1E: R55E.1 U12E.5 | length 123.3
  Top Copper w6: v1(1443.94,2625) 1446.56,2622.38 1446.56,2603.44 1450.39,2599.61 1451.9,2599.61 1461.51,2590 U12E.5@1485,2590
  Bottom Copper w6: v1(1443.94,2625) 1443.94,2606.06 1457.7,2592.3 1472.7,2592.3 R55E.1@1475,2590
CUR_OUT2A: R56A.1 U13A.5 | length 105.3
  Top Copper w7: v1(1200,285) U13A.5@1254.76,285
  Bottom Copper w7: v1(1200,285) 1203.43,285 1208.43,290 R56A.1@1248.5,290
CUR_OUT2B: R56B.1 U13B.5 | length 180
  Top Copper w6: v1(2902.5,365.19) 2902.5,367.5 2940,405 U13B.5@2940,465
  Bottom Copper w6: v1@2902.47,365.22 2902.47,378.41 2936.06,412.01 R56B.1@2940,412.01
CUR_OUT2C: R56C.1 U13C.5 | length 95
  Top Copper w7: U13C.5@2840,3315 v1(2895,3315)
  Bottom Copper w7: R56C.1@2855,3315 v1(2895,3315)
CUR_OUT2D: R56D.1 U13D.5 | length 95
  Top Copper w6: U13D.5@1385,4660 v1(1440,4660)
  Bottom Copper w6: R56D.1@1400,4660 v1(1440,4660)
CUR_OUT2E: R56E.1 U13E.5 | length 99.8
  Top Copper w6: v1(1430,2875) U13E.5@1484.76,2875
  Bottom Copper w6: v1(1430,2875) R56E.1@1475,2875